# KiCad board haptic display 8x8 aisler.kicad_pcb (continued)
## Routing (per net, layer and track width the routed paths; a pad name or vN(x,y) marks a point on that pad's centre or on a via; arc(x,y) is an arc through that point) (continued)
  In1.Cu w0.15: v1(50.35,120) 50,120.35 50,120.55 49.68,120.56 49.37,120.6 49.06,120.66 48.75,120.74 48.45,120.84 48.16,120.97 47.88,121.11 47.61,121.28 47.35,121.46 47.1,121.66 46.88,121.88 46.66,122.11 46.47,122.36 46.29,122.62 46.13,122.89 45.99,123.17 45.88,123.46 45.78,123.76 45.7,124.07 45.65,124.37 45.62,124.69 45.61,125 45.63,125.31 45.66,125.62 45.72,125.93 45.8,126.23 45.9,126.53 46.02,126.82 46.17,127.09 46.33,127.36 46.51,127.61 46.71,127.85 46.92,128.08 47.15,128.29 47.39,128.48 47.65,128.66 47.92,128.81 48.2,128.95 48.48,129.07 48.78,129.16 49.08,129.23 49.38,129.29 49.69,129.32 50,129.32 50.31,129.31 50.61,129.28 50.92,129.22 51.22,129.14 51.51,129.04 51.79,128.92 52.06,128.78 52.33,128.62 52.58,128.44 52.81,128.25 53.04,128.04 53.24,127.81 53.43,127.57 53.6,127.32 53.76,127.05 53.89,126.78 54.01,126.49 54.1,126.2 54.17,125.91 54.22,125.61 54.25,125.3 54.26,125 54.25,124.7 54.21,124.39 54.16,124.1 54.08,123.8 53.98,123.52 53.86,123.24 53.72,122.97 53.57,122.71 53.39,122.46 53.2,122.23 52.99,122.01 52.77,121.8 52.53,121.62 52.28,121.45 52.02,121.3 51.75,121.16 51.47,121.05 51.19,120.96 50.89,120.89 50.6,120.84 50.3,120.81 50,120.8 49.69,120.81 49.37,120.85 49.07,120.91 48.77,121 48.47,121.1 48.19,121.23 47.91,121.38 47.65,121.55 47.4,121.74 47.16,121.94 46.95,122.17 46.74,122.4 46.56,122.66 46.4,122.92 46.26,123.2 46.13,123.48 46.03,123.78 45.96,124.08 45.9,124.38 45.87,124.69 45.86,125 45.88,125.31 45.91,125.62 45.97,125.92 46.06,126.22 46.16,126.51 46.29,126.79 46.43,127.06 46.6,127.32 46.79,127.56 46.99,127.79 47.21,128.01 47.44,128.21 47.69,128.39 47.95,128.55 48.22,128.69 48.51,128.81 48.8,128.91 49.09,128.98 49.39,129.04 49.7,129.07 50,129.07 50.3,129.06 50.61,129.02 50.9,128.96 51.2,128.88 51.48,128.78 51.76,128.66 52.03,128.51 52.28,128.35 52.52,128.17 52.75,127.97 52.96,127.75 53.16,127.52 53.33,127.27 53.49,127.02 53.63,126.75 53.75,126.47 53.85,126.19 53.92,125.89 53.97,125.6 54,125.3 54.01,125 54,124.7 53.96,124.4 53.9,124.11 53.82,123.82 53.72,123.54 53.6,123.27 53.46,123 53.3,122.75 53.12,122.51 52.92,122.29 52.71,122.08 52.48,121.89 52.24,121.72 51.99,121.56 51.72,121.43 51.45,121.31 51.17,121.21 50.88,121.14 50.59,121.09 50.3,121.06 50,121.05 49.69,121.07 49.38,121.1 49.08,121.17 48.78,121.26 48.49,121.37 48.22,121.5 47.95,121.65 47.69,121.82 47.45,122.02 47.23,122.23 47.02,122.46 46.83,122.7 46.67,122.96 46.52,123.23 46.39,123.51 46.29,123.79 46.21,124.09 46.15,124.39 46.12,124.69 46.11,125 46.13,125.3 46.17,125.61 46.23,125.91 46.31,126.2 46.42,126.48 46.55,126.76 46.7,127.02 46.88,127.27 47.07,127.51 47.27,127.73 47.5,127.93 47.74,128.11 47.99,128.28 48.25,128.42 48.53,128.55 48.81,128.65 49.1,128.73 49.4,128.78 49.7,128.82 50,128.82 50.3,128.81 50.6,128.77 50.89,128.71 51.18,128.63 51.46,128.52 51.73,128.39 51.99,128.24 52.23,128.07 52.47,127.89 52.68,127.68 52.88,127.46 53.06,127.23 53.23,126.98 53.37,126.72 53.49,126.45 53.59,126.17 53.67,125.88 53.72,125.59 53.75,125.3 53.76,125 53.75,124.71 53.71,124.41 53.65,124.12 53.57,123.84 53.46,123.57 53.34,123.3 53.19,123.05 53.02,122.8 52.84,122.57 52.64,122.36 52.42,122.17 52.19,121.99 51.94,121.83 51.69,121.69 51.42,121.57 51.15,121.47 50.87,121.39 50.58,121.34 50.29,121.31 50,121.3 49.69,121.32 49.39,121.36 49.09,121.42 48.8,121.51 48.52,121.63 48.25,121.76 47.99,121.92 47.74,122.1 47.51,122.3 47.3,122.52 47.11,122.75 46.94,123 46.78,123.26 46.65,123.53 46.55,123.81 46.46,124.1 46.41,124.4 46.37,124.7 46.36,125 46.38,125.3 46.42,125.6 46.48,125.89 46.57,126.18 46.68,126.45 46.82,126.72 46.97,126.98 47.15,127.22 47.35,127.44 47.56,127.65 47.79,127.84 48.03,128.01 48.29,128.16 48.56,128.29 48.83,128.39 49.12,128.48 49.41,128.53 49.7,128.57 50,128.57 50.29,128.56 50.59,128.52 50.88,128.46 51.16,128.37 51.43,128.26 51.69,128.13 51.94,127.97 52.18,127.8 52.4,127.61 52.61,127.4 52.79,127.17 52.96,126.93 53.11,126.68 53.23,126.42 53.33,126.14 53.41,125.86 53.47,125.58 53.5,125.29 53.51,125 53.5,124.71 53.46,124.42 53.4,124.14 53.31,123.86 53.2,123.6 53.07,123.34 52.92,123.09 52.75,122.86 52.56,122.64 52.36,122.44 52.14,122.26 51.9,122.09 51.65,121.95 51.39,121.83 51.12,121.72 50.85,121.65 50.57,121.59 50.29,121.56 50,121.55 49.7,121.57 49.4,121.61 49.11,121.68 48.82,121.77 48.55,121.89 48.29,122.03 48.04,122.19 47.8,122.38 47.58,122.58 47.38,122.8 47.21,123.04 47.05,123.3 46.91,123.56 46.8,123.84 46.72,124.12 46.66,124.41 46.62,124.7 46.61,125 46.63,125.29 46.67,125.59 46.74,125.87 46.83,126.15 46.95,126.42 47.08,126.68 47.25,126.93 47.43,127.16 47.63,127.37 47.84,127.57 48.08,127.74 48.33,127.9 48.59,128.03 48.86,128.14 49.14,128.22 49.42,128.28 49.71,128.32 50,128.32 50.29,128.31 50.58,128.27 50.86,128.2 51.13,128.11 51.4,128 51.65,127.86 51.89,127.7 52.12,127.53 52.33,127.33 52.52,127.11 52.69,126.89 52.84,126.64 52.97,126.39 53.08,126.12 53.16,125.85 53.22,125.57 53.25,125.28 53.26,125 53.25,124.72 53.21,124.43 53.14,124.16 53.05,123.89 52.94,123.63 52.81,123.38 52.65,123.14 52.48,122.92 52.28,122.72 52.07,122.53 51.85,122.36 51.61,122.21 51.36,122.08 51.1,121.98 50.83,121.9 50.56,121.84 50.28,121.81 50,121.8 49.71,121.82 49.41,121.86 49.13,121.93 48.85,122.03 48.58,122.15 48.33,122.3 48.09,122.47 47.86,122.66 47.66,122.87 47.48,123.09 47.31,123.34 47.17,123.59 47.06,123.86 46.97,124.14 46.91,124.42 46.87,124.71 46.86,125 46.88,125.29 46.92,125.58 46.99,125.86 47.09,126.13 47.21,126.39 47.35,126.64 47.52,126.88 47.7,127.09 47.91,127.29 48.13,127.47 48.37,127.63 48.62,127.77 48.88,127.88 49.16,127.97 49.43,128.03 49.72,128.07 50,128.07 50.28,128.06 50.56,128.02 50.84,127.95 51.11,127.85 51.36,127.74 51.61,127.6 51.84,127.43 52.05,127.25 52.25,127.05 52.42,126.83 52.58,126.6 52.71,126.35 52.82,126.09 52.91,125.83 52.97,125.55 53,125.28 53.01,125 53,124.72 52.95,124.45 52.89,124.18 52.8,123.92 52.68,123.67 52.54,123.43 52.38,123.2 52.2,122.99 52.01,122.8 51.79,122.63 51.56,122.47 51.32,122.34 51.07,122.24 50.81,122.15 50.54,122.09 50.27,122.06 50,122.05 49.71,122.07 49.43,122.11 49.15,122.19 48.88,122.29 48.62,122.42 48.37,122.57 48.15,122.74 47.94,122.94 47.75,123.15 47.58,123.38 47.44,123.63 47.32,123.89 47.23,124.16 47.16,124.44 47.12,124.72 47.11,125 47.13,125.28 47.18,125.56 47.25,125.83 47.35,126.1 47.47,126.35 47.62,126.59 47.79,126.81 47.98,127.02 48.19,127.2 48.42,127.37 48.66,127.51 48.91,127.62 49.18,127.71 49.45,127.78 49.72,127.82 50,127.83 50.28,127.81 50.55,127.76 50.82,127.69 51.08,127.6 51.32,127.47 51.56,127.33 51.77,127.16 51.98,126.98 52.16,126.77 52.32,126.55 52.45,126.31 52.57,126.06 52.65,125.81 52.72,125.54 52.75,125.27 52.76,125 52.75,124.73 52.7,124.46 52.63,124.2 52.54,123.95 52.42,123.71 52.28,123.48 52.11,123.26 51.93,123.07 51.73,122.89 51.51,122.74 51.28,122.6 51.04,122.49 50.79,122.41 50.53,122.34 50.27,122.31 50,122.3 49.72,122.32 49.44,122.37 49.17,122.44 48.91,122.55 48.66,122.68 48.43,122.84 48.21,123.02 48.02,123.22 47.85,123.44 47.7,123.67 47.58,123.92 47.48,124.18 47.41,124.45 47.37,124.72 47.36,125 47.38,125.28 47.43,125.55 47.5,125.81 47.61,126.07 47.73,126.31 47.89,126.54 48.06,126.75 48.26,126.94 48.47,127.1 48.7,127.25 48.95,127.37 49.2,127.46 49.46,127.53 49.73,127.57 50,127.58 50.27,127.56 50.53,127.51 50.79,127.44 51.04,127.34 51.28,127.21 51.5,127.06 51.7,126.89 51.89,126.7 52.05,126.49 52.19,126.27 52.31,126.03 52.4,125.78 52.47,125.52 52.5,125.26 52.51,125 52.49,124.74 52.45,124.48 52.38,124.23 52.28,123.98 52.16,123.75 52.01,123.54 51.85,123.34 51.66,123.16 51.45,123 51.24,122.86 51,122.75 50.76,122.66 50.51,122.6 50.26,122.56 50,122.55 49.73,122.57 49.46,122.62 49.2,122.7 48.94,122.81 48.71,122.94 48.49,123.11 48.29,123.29 48.11,123.49 47.96,123.72 47.83,123.96 47.73,124.21 47.66,124.47 47.62,124.73 47.61,125 47.63,125.27 47.68,125.53 47.76,125.78 47.87,126.03 48,126.26 48.15,126.47 48.33,126.67 48.53,126.84 48.75,126.99 48.98,127.11 49.23,127.21 49.48,127.28 49.74,127.31 50,127.33 50.26,127.31 50.52,127.26 50.76,127.18 51,127.08 51.23,126.95 51.43,126.8 51.62,126.62 51.79,126.43 51.93,126.22 52.05,125.99 52.15,125.75 52.21,125.51 52.25,125.25 52.26,125 52.24,124.75 52.2,124.5 52.12,124.26 52.02,124.03 51.9,123.81 51.75,123.61 51.58,123.42 51.39,123.26 51.18,123.12 50.96,123 50.73,122.91 50.49,122.85 50.25,122.81 50,122.8 49.74,122.82 49.48,122.87 49.22,122.96 48.99,123.07 48.76,123.21 48.56,123.37 48.38,123.56 48.22,123.77 48.09,124 47.99,124.24 47.92,124.49 47.87,124.74 47.86,125 47.88,125.26 47.93,125.51 48.01,125.75 48.12,125.98 48.26,126.2 48.42,126.4 48.6,126.57 48.81,126.73 49.03,126.85 49.26,126.95 49.5,127.02 49.75,127.06 50,127.08 50.25,127.06 50.49,127.01 50.73,126.93 50.96,126.82 51.17,126.69 51.36,126.53 51.53,126.35 51.68,126.16 51.8,125.94 51.9,125.72 51.96,125.48 52,125.24 52.01,125 51.99,124.76 51.94,124.52 51.87,124.29 51.76,124.07 51.64,123.87 51.48,123.68 51.31,123.52 51.12,123.38 50.92,123.26 50.7,123.16 50.47,123.1 50.24,123.06 50,123.05 49.75,123.07 49.5,123.13 49.26,123.21 49.04,123.33 48.83,123.47 48.64,123.64 48.48,123.84 48.35,124.05 48.24,124.27 48.17,124.51 48.12,124.75 48.11,125 48.13,125.25 48.19,125.49 48.27,125.72 48.38,125.93 48.52,126.13 48.69,126.31 48.87,126.47 49.08,126.6 49.3,126.7 49.52,126.77 49.76,126.81 50,126.83 50.24,126.8 50.47,126.75 50.69,126.67 50.9,126.56 51.1,126.43 51.27,126.27 51.42,126.09 51.54,125.89 51.64,125.68 51.71,125.46 51.75,125.23 51.76,125 51.74,124.77 51.69,124.55 51.61,124.33 51.51,124.13 51.38,123.94 51.22,123.78 51.05,123.63 50.86,123.51 50.66,123.41 50.44,123.35 50.22,123.31 50,123.3 49.76,123.32 49.52,123.38 49.3,123.47 49.09,123.59 48.91,123.74 48.74,123.91 48.6,124.1 48.49,124.31 48.42,124.54 48.37,124.77 48.36,125 48.38,125.23 48.44,125.46 48.53,125.67 48.64,125.87 48.78,126.05 48.95,126.21 49.14,126.34 49.34,126.45 49.55,126.52 49.78,126.56 50,126.58 50.22,126.55 50.44,126.5 50.65,126.42 50.84,126.31 51.01,126.17 51.16,126.01 51.29,125.83 51.39,125.64 51.46,125.43 51.5,125.22 51.51,125 51.49,124.79 51.44,124.58 51.36,124.38 51.25,124.19 51.12,124.03 50.97,123.88 50.8,123.76 50.61,123.67 50.41,123.6 50.21,123.56 50,123.55 50,123.6 49.63,123.97 49.59,123.98 ; v1(50.35,105) 50,105.35 50,105.55 49.68,105.56 49.37,105.6 49.06,105.66 48.75,105.74 48.45,105.84 48.16,105.97 47.88,106.11 47.61,106.28 47.35,106.46 47.1,106.66 46.88,106.88 46.66,107.11 46.47,107.36 46.29,107.62 46.13,107.89 45.99,108.17 45.88,108.46 45.78,108.76 45.7,109.07 45.65,109.37 45.62,109.69 45.61,110 45.63,110.31 45.66,110.62 45.72,110.93 45.8,111.23 45.9,111.53 46.02,111.82 46.17,112.09 46.33,112.36 46.51,112.61 46.71,112.85 46.92,113.08 47.15,113.29 47.39,113.48 47.65,113.66 47.92,113.81 48.2,113.95 48.48,114.07 48.78,114.16 49.08,114.23 49.38,114.29 49.69,114.32 50,114.33 50.31,114.31 50.61,114.28 50.92,114.22 51.22,114.14 51.51,114.04 51.79,113.92 52.06,113.78 52.33,113.62 52.58,113.44 52.81,113.25 53.04,113.04 53.24,112.81 53.43,112.57 53.6,112.32 53.76,112.05 53.89,111.78 54.01,111.49 54.1,111.2 54.17,110.91 54.22,110.61 54.25,110.3 54.26,110 54.25,109.7 54.21,109.39 54.16,109.1 54.08,108.8 53.98,108.52 53.86,108.24 53.72,107.97 53.57,107.71 53.39,107.46 53.2,107.23 52.99,107.01 52.77,106.8 52.53,106.62 52.28,106.45 52.02,106.3 51.75,106.16 51.47,106.05 51.19,105.96 50.89,105.89 50.6,105.84 50.3,105.81 50,105.8 49.69,105.81 49.37,105.85 49.07,105.91 48.77,106 48.47,106.1 48.19,106.23 47.91,106.38 47.65,106.55 47.4,106.74 47.16,106.94 46.95,107.17 46.74,107.4 46.56,107.66 46.4,107.92 46.26,108.2 46.13,108.48 46.03,108.78 45.96,109.08 45.9,109.38 45.87,109.69 45.86,110 45.88,110.31 45.91,110.62 45.97,110.92 46.06,111.22 46.16,111.51 46.29,111.79 46.43,112.06 46.6,112.32 46.79,112.56 46.99,112.79 47.21,113.01 47.44,113.21 47.69,113.39 47.95,113.55 48.22,113.69 48.51,113.81 48.8,113.91 49.09,113.98 49.39,114.04 49.7,114.07 50,114.08 50.3,114.06 50.61,114.02 50.9,113.96 51.2,113.88 51.48,113.78 51.76,113.66 52.03,113.51 52.28,113.35 52.52,113.17 52.75,112.97 52.96,112.75 53.16,112.52 53.33,112.27 53.49,112.02 53.63,111.75 53.75,111.47 53.85,111.19 53.92,110.89 53.97,110.6 54,110.3 54.01,110 54,109.7 53.96,109.4 53.9,109.11 53.82,108.82 53.72,108.54 53.6,108.27 53.46,108 53.3,107.75 53.12,107.51 52.92,107.29 52.71,107.08 52.48,106.89 52.24,106.72 51.99,106.56 51.72,106.43 51.45,106.31 51.17,106.21 50.88,106.14 50.59,106.09 50.3,106.06 50,106.05 49.69,106.07 49.38,106.1 49.08,106.17 48.78,106.26 48.49,106.37 48.22,106.5 47.95,106.65 47.69,106.82 47.45,107.02 47.23,107.23 47.02,107.46 46.83,107.7 46.67,107.96 46.52,108.23 46.39,108.51 46.29,108.79 46.21,109.09 46.15,109.39 46.12,109.69 46.11,110 46.13,110.3 46.17,110.61 46.23,110.91 46.31,111.2 46.42,111.48 46.55,111.76 46.7,112.02 46.88,112.27 47.07,112.51 47.27,112.73 47.5,112.93 47.74,113.11 47.99,113.28 48.25,113.42 48.53,113.55 48.81,113.65 49.1,113.73 49.4,113.78 49.7,113.82 50,113.83 50.3,113.81 50.6,113.77 50.89,113.71 51.18,113.63 51.46,113.52 51.73,113.39 51.99,113.24 52.23,113.07 52.47,112.89 52.68,112.68 52.88,112.46 53.06,112.23 53.23,111.98 53.37,111.72 53.49,111.45 53.59,111.17 53.67,110.88 53.72,110.59 53.75,110.3 53.76,110 53.75,109.71 53.71,109.41 53.65,109.12 53.57,108.84 53.46,108.57 53.34,108.3 53.19,108.05 53.02,107.8 52.84,107.57 52.64,107.36 52.42,107.17 52.19,106.99 51.94,106.83 51.69,106.69 51.42,106.57 51.15,106.47 50.87,106.39 50.58,106.34 50.29,106.31 50,106.3 49.69,106.32 49.39,106.36 49.09,106.42 48.8,106.51 48.52,106.63 48.25,106.76 47.99,106.92 47.74,107.1 47.51,107.3 47.3,107.52 47.11,107.75 46.94,108 46.78,108.26 46.65,108.53 46.55,108.81 46.46,109.1 46.41,109.4 46.37,109.7 46.36,110 46.38,110.3 46.42,110.6 46.48,110.89 46.57,111.18 46.68,111.45 46.82,111.72 46.97,111.98 47.15,112.22 47.35,112.44 47.56,112.65 47.79,112.84 48.03,113.01 48.29,113.16 48.56,113.29 48.83,113.39 49.12,113.48 49.41,113.53 49.7,113.57 50,113.58 50.29,113.56 50.59,113.52 50.88,113.46 51.16,113.37 51.43,113.26 51.69,113.13 51.94,112.97 52.18,112.8 52.4,112.61 52.61,112.4 52.79,112.17 52.96,111.93 53.11,111.68 53.23,111.42 53.33,111.14 53.41,110.86 53.47,110.58 53.5,110.29 53.51,110 53.5,109.71 53.46,109.42 53.4,109.14 53.31,108.86 53.2,108.6 53.07,108.34 52.92,108.09 52.75,107.86 52.56,107.64 52.36,107.44 52.14,107.26 51.9,107.09 51.65,106.95 51.39,106.83 51.12,106.72 50.85,106.65 50.57,106.59 50.29,106.56 50,106.55 49.7,106.57 49.4,106.61 49.11,106.68 48.82,106.77 48.55,106.89 48.29,107.03 48.04,107.19 47.8,107.38 47.58,107.58 47.38,107.8 47.21,108.04 47.05,108.3 46.91,108.56 46.8,108.84 46.72,109.12 46.66,109.41 46.62,109.7 46.61,110 46.63,110.29 46.67,110.59 46.74,110.87 46.83,111.15 46.95,111.42 47.08,111.68 47.25,111.93 47.43,112.16 47.63,112.37 47.84,112.57 48.08,112.74 48.33,112.9 48.59,113.03 48.86,113.14 49.14,113.22 49.42,113.28 49.71,113.32 50,113.33 50.29,113.31 50.58,113.27 50.86,113.2 51.13,113.11 51.4,113 51.65,112.86 51.89,112.7 52.12,112.53 52.33,112.33 52.52,112.11 52.69,111.89 52.84,111.64 52.97,111.39 53.08,111.12 53.16,110.85 53.22,110.57 53.25,110.28 53.26,110 53.25,109.72 53.21,109.43 53.14,109.16 53.05,108.89 52.94,108.63 52.81,108.38 52.65,108.14 52.48,107.92 52.28,107.72 52.07,107.53 51.85,107.36 51.61,107.21 51.36,107.08 51.1,106.98 50.83,106.9 50.56,106.84 50.28,106.81 50,106.8 49.71,106.82 49.41,106.86 49.13,106.93 48.85,107.03 48.58,107.15 48.33,107.3 48.09,107.47 47.86,107.66 47.66,107.87 47.48,108.09 47.31,108.34 47.17,108.59 47.06,108.86 46.97,109.14 46.91,109.42 46.87,109.71 46.86,110 46.88,110.29 46.92,110.58 46.99,110.86 47.09,111.13 47.21,111.39 47.35,111.64 47.52,111.88 47.7,112.09 47.91,112.29 48.13,112.47 48.37,112.63 48.62,112.77 48.88,112.88 49.16,112.97 49.43,113.03 49.72,113.07 50,113.08 50.28,113.06 50.56,113.02 50.84,112.95 51.11,112.85 51.36,112.74 51.61,112.6 51.84,112.43 52.05,112.25 52.25,112.05 52.42,111.83 52.58,111.6 52.71,111.35 52.82,111.09 52.91,110.83 52.97,110.55 53,110.28 53.01,110 53,109.72 52.95,109.45 52.89,109.18 52.8,108.92 52.68,108.67 52.54,108.43 52.38,108.2 52.2,107.99 52.01,107.8 51.79,107.63 51.56,107.47 51.32,107.34 51.07,107.24 50.81,107.15 50.54,107.09 50.27,107.06 50,107.05 49.71,107.07 49.43,107.11 49.15,107.19 48.88,107.29 48.62,107.42 48.37,107.57 48.15,107.74 47.94,107.94 47.75,108.15 47.58,108.38 47.44,108.63 47.32,108.89 47.23,109.16 47.16,109.44 47.12,109.72 47.11,110 47.13,110.28 47.18,110.56 47.25,110.83 47.35,111.1 47.47,111.35 47.62,111.59 47.79,111.81 47.98,112.02 48.19,112.2 48.42,112.37 48.66,112.51 48.91,112.62 49.18,112.71 49.45,112.78 49.72,112.82 50,112.83 50.28,112.81 50.55,112.76 50.82,112.69 51.08,112.6 51.32,112.47 51.56,112.33 51.77,112.16 51.98,111.98 52.16,111.77 52.32,111.55 52.45,111.31 52.57,111.06 52.65,110.81 52.72,110.54 52.75,110.27 52.76,110 52.75,109.73 52.7,109.46 52.63,109.2 52.54,108.95 52.42,108.71 52.28,108.48 52.11,108.26 51.93,108.07 51.73,107.89 51.51,107.74 51.28,107.6 51.04,107.49 50.79,107.41 50.53,107.34 50.27,107.31 50,107.3 49.72,107.32 49.44,107.37 49.17,107.44 48.91,107.55 48.66,107.68 48.43,107.84 48.21,108.02 48.02,108.22 47.85,108.44 47.7,108.67 47.58,108.92 47.48,109.18 47.41,109.45 47.37,109.72 47.36,110 47.38,110.28 47.43,110.55 47.5,110.81 47.61,111.07 47.73,111.31 47.89,111.54 48.06,111.75 48.26,111.94 48.47,112.1 48.7,112.25 48.95,112.37 49.2,112.46 49.46,112.53 49.73,112.57 50,112.58 50.27,112.56 50.53,112.51 50.79,112.44 51.04,112.34 51.28,112.21 51.5,112.06 51.7,111.89 51.89,111.7 52.05,111.49 52.19,111.27 52.31,111.03 52.4,110.78 52.47,110.52 52.5,110.26 52.51,110 52.49,109.74 52.45,109.48 52.38,109.23 52.28,108.98 52.16,108.75 52.01,108.54 51.85,108.34 51.66,108.16 51.45,108 51.24,107.86 51,107.75 50.76,107.66 50.51,107.6 50.26,107.56 50,107.55 49.73,107.57 49.46,107.62 49.2,107.7 48.94,107.81 48.71,107.94 48.49,108.11 48.29,108.29 48.11,108.49 47.96,108.72 47.83,108.96 47.73,109.21 47.66,109.47 47.62,109.73 47.61,110 47.63,110.27 47.68,110.53 47.76,110.78 47.87,111.03 48,111.26 48.15,111.47 48.33,111.67 48.53,111.84 48.75,111.99 48.98,112.11 49.23,112.21 49.48,112.28 49.74,112.31 50,112.33 50.26,112.31 50.52,112.26 50.76,112.18 51,112.08 51.23,111.95 51.43,111.8 51.62,111.62 51.79,111.43 51.93,111.22 52.05,110.99 52.15,110.75 52.21,110.51 52.25,110.25 52.26,110 52.24,109.75 52.2,109.5 52.12,109.26 52.02,109.03 51.9,108.81 51.75,108.61 51.58,108.42 51.39,108.26 51.18,108.12 50.96,108 50.73,107.91 50.49,107.85 50.25,107.81 50,107.8 49.74,107.82 49.48,107.87 49.22,107.96 48.99,108.07 48.76,108.21 48.56,108.37 48.38,108.56 48.22,108.77 48.09,109 47.99,109.24 47.92,109.49 47.87,109.74 47.86,110 47.88,110.26 47.93,110.51 48.01,110.75 48.12,110.98 48.26,111.2 48.42,111.4 48.6,111.57 48.81,111.73 49.03,111.85 49.26,111.95 49.5,112.02 49.75,112.06 50,112.08 50.25,112.06 50.49,112.01 50.73,111.93 50.96,111.82 51.17,111.69 51.36,111.53 51.53,111.35 51.68,111.16 51.8,110.94 51.9,110.72 51.96,110.48 52,110.24 52.01,110 51.99,109.76 51.94,109.52 51.87,109.29 51.76,109.07 51.64,108.87 51.48,108.68 51.31,108.52 51.12,108.38 50.92,108.26 50.7,108.16 50.47,108.1 50.24,108.06 50,108.05 49.75,108.07 49.5,108.13 49.26,108.21 49.04,108.33 48.83,108.47 48.64,108.64 48.48,108.84 48.35,109.05 48.24,109.27 48.17,109.51 48.12,109.75 48.11,110 48.13,110.25 48.19,110.49 48.27,110.72 48.38,110.93 48.52,111.13 48.69,111.31 48.87,111.47 49.08,111.6 49.3,111.7 49.52,111.77 49.76,111.81 50,111.83 50.24,111.8 50.47,111.75 50.69,111.67 50.9,111.56 51.1,111.43 51.27,111.27 51.42,111.09 51.54,110.89 51.64,110.68 51.71,110.46 51.75,110.23 51.76,110 51.74,109.77 51.69,109.55 51.61,109.33 51.51,109.13 51.38,108.94 51.22,108.78 51.05,108.63 50.86,108.51 50.66,108.41 50.44,108.35 50.22,108.31 50,108.3 49.76,108.32 49.52,108.38 49.3,108.47 49.09,108.59 48.91,108.74 48.74,108.91 48.6,109.1 48.49,109.31 48.42,109.54 48.37,109.77 48.36,110 48.38,110.23 48.44,110.46 48.53,110.67 48.64,110.87 48.78,111.05 48.95,111.21 49.14,111.34 49.34,111.45 49.55,111.52 49.78,111.56 50,111.58 50.22,111.55 50.44,111.5 50.65,111.42 50.84,111.31 51.01,111.17 51.16,111.01 51.29,110.83 51.39,110.64 51.46,110.43 51.5,110.22 51.51,110 51.49,109.79 51.44,109.58 51.36,109.38 51.25,109.19 51.12,109.03 50.97,108.88 50.8,108.76 50.61,108.67 50.41,108.6 50.21,108.56 50,108.55 50,108.6 49.63,108.97 49.59,108.98 ; v1(50.35,90) 50,90.35 50,90.55 49.68,90.56 49.37,90.6 49.06,90.66 48.75,90.74 48.45,90.84 48.16,90.97 47.88,91.11 47.61,91.28 47.35,91.46 47.1,91.66 46.88,91.88 46.66,92.11 46.47,92.36 46.29,92.62 46.13,92.89 45.99,93.17 45.88,93.46 45.78,93.76 45.7,94.07 45.65,94.37 45.62,94.69 45.61,95 45.63,95.31 45.66,95.62 45.72,95.93 45.8,96.23 45.9,96.53 46.02,96.82 46.17,97.09 46.33,97.36 46.51,97.61 46.71,97.85 46.92,98.08 47.15,98.29 47.39,98.48 47.65,98.66 47.92,98.81 48.2,98.95 48.48,99.07 48.78,99.16 49.08,99.23 49.38,99.29 49.69,99.32 50,99.33 50.31,99.31 50.61,99.28 50.92,99.22 51.22,99.14 51.51,99.04 51.79,98.92 52.06,98.78 52.33,98.62 52.58,98.44 52.81,98.25 53.04,98.04 53.24,97.81 53.43,97.57 53.6,97.32 53.76,97.05 53.89,96.78 54.01,96.49 54.1,96.2 54.17,95.91 54.22,95.61 54.25,95.3 54.26,95 54.25,94.7 54.21,94.39 54.16,94.1 54.08,93.8 53.98,93.52 53.86,93.24 53.72,92.97 53.57,92.71 53.39,92.46 53.2,92.23 52.99,92.01 52.77,91.8 52.53,91.62 52.28,91.45 52.02,91.3 51.75,91.16 51.47,91.05 51.19,90.96 50.89,90.89 50.6,90.84 50.3,90.81 50,90.8 49.69,90.81 49.37,90.85 49.07,90.91 48.77,91 48.47,91.1 48.19,91.23 47.91,91.38 47.65,91.55 47.4,91.74 47.16,91.94 46.95,92.17 46.74,92.4 46.56,92.66 46.4,92.92 46.26,93.2 46.13,93.48 46.03,93.78 45.96,94.08 45.9,94.38 45.87,94.69 45.86,95 45.88,95.31 45.91,95.62 45.97,95.92 46.06,96.22 46.16,96.51 46.29,96.79 46.43,97.06 46.6,97.32 46.79,97.56 46.99,97.79 47.21,98.01 47.44,98.21 47.69,98.39 47.95,98.55 48.22,98.69 48.51,98.81 48.8,98.91 49.09,98.98 49.39,99.04 49.7,99.07 50,99.08 50.3,99.06 50.61,99.02 50.9,98.96 51.2,98.88 51.48,98.78 51.76,98.66 52.03,98.51 52.28,98.35 52.52,98.17 52.75,97.97 52.96,97.75 53.16,97.52 53.33,97.27 53.49,97.02 53.63,96.75 53.75,96.47 53.85,96.19 53.92,95.89 53.97,95.6 54,95.3 54.01,95 54,94.7 53.96,94.4 53.9,94.11 53.82,93.82 53.72,93.54 53.6,93.27 53.46,93 53.3,92.75 53.12,92.51 52.92,92.29 52.71,92.08 52.48,91.89 52.24,91.72 51.99,91.56 51.72,91.43 51.45,91.31 51.17,91.21 50.88,91.14 50.59,91.09 50.3,91.06 50,91.05 49.69,91.07 49.38,91.1 49.08,91.17 48.78,91.26 48.49,91.37 48.22,91.5 47.95,91.65 47.69,91.82 47.45,92.02 47.23,92.23 47.02,92.46 46.83,92.7 46.67,92.96 46.52,93.23 46.39,93.51 46.29,93.79 46.21,94.09 46.15,94.39 46.12,94.69 46.11,95 46.13,95.3 46.17,95.61 46.23,95.91 46.31,96.2 46.42,96.48 46.55,96.76 46.7,97.02 46.88,97.27 47.07,97.51 47.27,97.73 47.5,97.93 47.74,98.11 47.99,98.28 48.25,98.42 48.53,98.55 48.81,98.65 49.1,98.73 49.4,98.78 49.7,98.82 50,98.83 50.3,98.81 50.6,98.77 50.89,98.71 51.18,98.63 51.46,98.52 51.73,98.39 51.99,98.24 52.23,98.07 52.47,97.89 52.68,97.68 52.88,97.46 53.06,97.23 53.23,96.98 53.37,96.72 53.49,96.45 53.59,96.17 53.67,95.88 53.72,95.59 53.75,95.3 53.76,95 53.75,94.71 53.71,94.41 53.65,94.12 53.57,93.84 53.46,93.57 53.34,93.3 53.19,93.05 53.02,92.8 52.84,92.57 52.64,92.36 52.42,92.17 52.19,91.99 51.94,91.83 51.69,91.69 51.42,91.57 51.15,91.47 50.87,91.39 50.58,91.34 50.29,91.31 50,91.3 49.69,91.32 49.39,91.36 49.09,91.42 48.8,91.51 48.52,91.63 48.25,91.76 47.99,91.92 47.74,92.1 47.51,92.3 47.3,92.52 47.11,92.75 46.94,93 46.78,93.26 46.65,93.53 46.55,93.81 46.46,94.1 46.41,94.4 46.37,94.7 46.36,95 46.38,95.3 46.42,95.6 46.48,95.89 46.57,96.18 46.68,96.45 46.82,96.72 46.97,96.98 47.15,97.22 47.35,97.44 47.56,97.65 47.79,97.84 48.03,98.01 48.29,98.16 48.56,98.29 48.83,98.39 49.12,98.48 49.41,98.53 49.7,98.57 50,98.58 50.29,98.56 50.59,98.52 50.88,98.46 51.16,98.37 51.43,98.26 51.69,98.13 51.94,97.97 52.18,97.8 52.4,97.61 52.61,97.4 52.79,97.17 52.96,96.93 53.11,96.68 53.23,96.42 53.33,96.14 53.41,95.86 53.47,95.58 53.5,95.29 53.51,95 53.5,94.71 53.46,94.42 53.4,94.14 53.31,93.86 53.2,93.6 53.07,93.34 52.92,93.09 52.75,92.86 52.56,92.64 52.36,92.44 52.14,92.26 51.9,92.09 51.65,91.95 51.39,91.83 51.12,91.72 50.85,91.65 50.57,91.59 50.29,91.56 50,91.55 49.7,91.57 49.4,91.61 49.11,91.68 48.82,91.77 48.55,91.89 48.29,92.03 48.04,92.19 47.8,92.38 47.58,92.58 47.38,92.8 47.21,93.04 47.05,93.3 46.91,93.56 46.8,93.84 46.72,94.12 46.66,94.41 46.62,94.7 46.61,95 46.63,95.29 46.67,95.59 46.74,95.87 46.83,96.15 46.95,96.42 47.08,96.68 47.25,96.93 47.43,97.16 47.63,97.37 47.84,97.57 48.08,97.74 48.33,97.9 48.59,98.03 48.86,98.14 49.14,98.22 49.42,98.28 49.71,98.32 50,98.33 50.29,98.31 50.58,98.27 50.86,98.2 51.13,98.11 51.4,98 51.65,97.86 51.89,97.7 52.12,97.53 52.33,97.33 52.52,97.11 52.69,96.89 52.84,96.64 52.97,96.39 53.08,96.12 53.16,95.85 53.22,95.57 53.25,95.28 53.26,95 53.25,94.72 53.21,94.43 53.14,94.16 53.05,93.89 52.94,93.63 52.81,93.38 52.65,93.14 52.48,92.92 52.28,92.72 52.07,92.53 51.85,92.36 51.61,92.21 51.36,92.08 51.1,91.98 50.83,91.9 50.56,91.84 50.28,91.81 50,91.8 49.71,91.82 49.41,91.86 49.13,91.93 48.85,92.03 48.58,92.15 48.33,92.3 48.09,92.47 47.86,92.66 47.66,92.87 47.48,93.09 47.31,93.34 47.17,93.59 47.06,93.86 46.97,94.14 46.91,94.42 46.87,94.71 46.86,95 46.88,95.29 46.92,95.58 46.99,95.86 47.09,96.13 47.21,96.39 47.35,96.64 47.52,96.88 47.7,97.09 47.91,97.29 48.13,97.47 48.37,97.63 48.62,97.77 48.88,97.88 49.16,97.97 49.43,98.03 49.72,98.07 50,98.08 50.28,98.06 50.56,98.02 50.84,97.95 51.11,97.85 51.36,97.74 51.61,97.6 51.84,97.43 52.05,97.25 52.25,97.05 52.42,96.83 52.58,96.6 52.71,96.35 52.82,96.09 52.91,95.83 52.97,95.55 53,95.28 53.01,95 53,94.72 52.95,94.45 52.89,94.18 52.8,93.92 52.68,93.67 52.54,93.43 52.38,93.2 52.2,92.99 52.01,92.8 51.79,92.63 51.56,92.47 51.32,92.34 51.07,92.24 50.81,92.15 50.54,92.09 50.27,92.06 50,92.05 49.71,92.07 49.43,92.11 49.15,92.19 48.88,92.29 48.62,92.42 48.37,92.57 48.15,92.74 47.94,92.94 47.75,93.15 47.58,93.38 47.44,93.63 47.32,93.89 47.23,94.16 47.16,94.44 47.12,94.72 47.11,95 47.13,95.28 47.18,95.56 47.25,95.83 47.35,96.1 47.47,96.35 47.62,96.59 47.79,96.81 47.98,97.02 48.19,97.2 48.42,97.37 48.66,97.51 48.91,97.62 49.18,97.71 49.45,97.78 49.72,97.82 50,97.83 50.28,97.81 50.55,97.76 50.82,97.69 51.08,97.6 51.32,97.47 51.56,97.33 51.77,97.16 51.98,96.98 52.16,96.77 52.32,96.55 52.45,96.31 52.57,96.06 52.65,95.81 52.72,95.54 52.75,95.27 52.76,95 52.75,94.73 52.7,94.46 52.63,94.2 52.54,93.95 52.42,93.71 52.28,93.48 52.11,93.26 51.93,93.07 51.73,92.89 51.51,92.74 51.28,92.6 51.04,92.49 50.79,92.41 50.53,92.34 50.27,92.31 50,92.3 49.72,92.32 49.44,92.37 49.17,92.44 48.91,92.55 48.66,92.68 48.43,92.84 48.21,93.02 48.02,93.22 47.85,93.44 47.7,93.67 47.58,93.92 47.48,94.18 47.41,94.45 47.37,94.72 47.36,95 47.38,95.28 47.43,95.55 47.5,95.81 47.61,96.07 47.73,96.31 47.89,96.54 48.06,96.75 48.26,96.94 48.47,97.1 48.7,97.25 48.95,97.37 49.2,97.46 49.46,97.53 49.73,97.57 50,97.58 50.27,97.56 50.53,97.51 50.79,97.44 51.04,97.34 51.28,97.21 51.5,97.06 51.7,96.89 51.89,96.7 52.05,96.49 52.19,96.27 52.31,96.03 52.4,95.78 52.47,95.52 52.5,95.26 52.51,95 52.49,94.74 52.45,94.48 52.38,94.23 52.28,93.98 52.16,93.75 52.01,93.54 51.85,93.34 51.66,93.16 51.45,93 51.24,92.86 51,92.75 50.76,92.66 50.51,92.6 50.26,92.56 50,92.55 49.73,92.57 49.46,92.62 49.2,92.7 48.94,92.81 48.71,92.94 48.49,93.11 48.29,93.29 48.11,93.49 47.96,93.72 47.83,93.96 47.73,94.21 47.66,94.47 47.62,94.73 47.61,95 47.63,95.27 47.68,95.53 47.76,95.78 47.87,96.03 48,96.26 48.15,96.47 48.33,96.67 48.53,96.84 48.75,96.99 48.98,97.11 49.23,97.21 49.48,97.28 49.74,97.31 50,97.33 50.26,97.31 50.52,97.26 50.76,97.18 51,97.08 51.23,96.95 51.43,96.8 51.62,96.62 51.79,96.43 51.93,96.22 52.05,95.99 52.15,95.75 52.21,95.51 52.25,95.25 52.26,95 52.24,94.75 52.2,94.5 52.12,94.26 52.02,94.03 51.9,93.81 51.75,93.61 51.58,93.42 51.39,93.26 51.18,93.12 50.96,93 50.73,92.91 50.49,92.85 50.25,92.81 50,92.8 49.74,92.82 49.48,92.87 49.22,92.96 48.99,93.07 48.76,93.21 48.56,93.37 48.38,93.56 48.22,93.77 48.09,94 47.99,94.24 47.92,94.49 47.87,94.74 47.86,95 47.88,95.26 47.93,95.51 48.01,95.75 48.12,95.98 48.26,96.2 48.42,96.4 48.6,96.57 48.81,96.73 49.03,96.85 49.26,96.95 49.5,97.02 49.75,97.06 50,97.08 50.25,97.06 50.49,97.01 50.73,96.93 50.96,96.82 51.17,96.69 51.36,96.53 51.53,96.35 51.68,96.16 51.8,95.94 51.9,95.72 51.96,95.48 52,95.24 52.01,95 51.99,94.76 51.94,94.52 51.87,94.29 51.76,94.07 51.64,93.87 51.48,93.68 51.31,93.52 51.12,93.38 50.92,93.26 50.7,93.16 50.47,93.1 50.24,93.06 50,93.05 49.75,93.07 49.5,93.13 49.26,93.21 49.04,93.33 48.83,93.47 48.64,93.64 48.48,93.84 48.35,94.05 48.24,94.27 48.17,94.51 48.12,94.75 48.11,95 48.13,95.25 48.19,95.49 48.27,95.72 48.38,95.93 48.52,96.13 48.69,96.31 48.87,96.47 49.08,96.6 49.3,96.7 49.52,96.77 49.76,96.81 50,96.83 50.24,96.8 50.47,96.75 50.69,96.67 50.9,96.56 51.1,96.43 51.27,96.27 51.42,96.09 51.54,95.89 51.64,95.68 51.71,95.46 51.75,95.23 51.76,95 51.74,94.77 51.69,94.55 51.61,94.33 51.51,94.13 51.38,93.94 51.22,93.78 51.05,93.63 50.86,93.51 50.66,93.41 50.44,93.35 50.22,93.31 50,93.3 49.76,93.32 49.52,93.38 49.3,93.47 49.09,93.59 48.91,93.74 48.74,93.91 48.6,94.1 48.49,94.31 48.42,94.54 48.37,94.77 48.36,95 48.38,95.23 48.44,95.46 48.53,95.67 48.64,95.87 48.78,96.05 48.95,96.21 49.14,96.34 49.34,96.45 49.55,96.52 49.78,96.56 50,96.58 50.22,96.55 50.44,96.5 50.65,96.42 50.84,96.31 51.01,96.17 51.16,96.01 51.29,95.83 51.39,95.64 51.46,95.43 51.5,95.22 51.51,95 51.49,94.79 51.44,94.58 51.36,94.38 51.25,94.19 51.12,94.03 50.97,93.88 50.8,93.76 50.61,93.67 50.41,93.6 50.21,93.56 50,93.55 50,93.6 49.63,93.97 49.59,93.98 ; v1(50.35,75) 50,75.35 50,75.55 49.68,75.56 49.37,75.6 49.06,75.66 48.75,75.74 48.45,75.84 48.16,75.97 47.88,76.11 47.61,76.28 47.35,76.46 47.1,76.66 46.88,76.88 46.66,77.11 46.47,77.36 46.29,77.62 46.13,77.89 45.99,78.17 45.88,78.46 45.78,78.76 45.7,79.07 45.65,79.37 45.62,79.69 45.61,80 45.63,80.31 45.66,80.62 45.72,80.93 45.8,81.23 45.9,81.53 46.02,81.82 46.17,82.09 46.33,82.36 46.51,82.61 46.71,82.85 46.92,83.08 47.15,83.29 47.39,83.48 47.65,83.66 47.92,83.81 48.2,83.95 48.48,84.07 48.78,84.16 49.08,84.23 49.38,84.29 49.69,84.32 50,84.33 50.31,84.31 50.61,84.28 50.92,84.22 51.22,84.14 51.51,84.04 51.79,83.92 52.06,83.78 52.33,83.62 52.58,83.44 52.81,83.25 53.04,83.04 53.24,82.81 53.43,82.57 53.6,82.32 53.76,82.05 53.89,81.78 54.01,81.49 54.1,81.2 54.17,80.91 54.22,80.61 54.25,80.3 54.26,80 54.25,79.7 54.21,79.39 54.16,79.1 54.08,78.8 53.98,78.52 53.86,78.24 53.72,77.97 53.57,77.71 53.39,77.46 53.2,77.23 52.99,77.01 52.77,76.8 52.53,76.62 52.28,76.45 52.02,76.3 51.75,76.16 51.47,76.05 51.19,75.96 50.89,75.89 50.6,75.84 50.3,75.81 50,75.8 49.69,75.81 49.37,75.85 49.07,75.91 48.77,76 48.47,76.1 48.19,76.23 47.91,76.38 47.65,76.55 47.4,76.74 47.16,76.94 46.95,77.17 46.74,77.4 46.56,77.66 46.4,77.92 46.26,78.2 46.13,78.48 46.03,78.78 45.96,79.08 45.9,79.38 45.87,79.69 45.86,80 45.88,80.31 45.91,80.62 45.97,80.92 46.06,81.22 46.16,81.51 46.29,81.79 46.43,82.06 46.6,82.32 46.79,82.56 46.99,82.79 47.21,83.01 47.44,83.21 47.69,83.39 47.95,83.55 48.22,83.69 48.51,83.81 48.8,83.91 49.09,83.98 49.39,84.04 49.7,84.07 50,84.08 50.3,84.06 50.61,84.02 50.9,83.96 51.2,83.88 51.48,83.78 51.76,83.66 52.03,83.51 52.28,83.35 52.52,83.17 52.75,82.97 52.96,82.75 53.16,82.52 53.33,82.27 53.49,82.02 53.63,81.75 53.75,81.47 53.85,81.19 53.92,80.89 53.97,80.6 54,80.3 54.01,80 54,79.7 53.96,79.4 53.9,79.11 53.82,78.82 53.72,78.54 53.6,78.27 53.46,78 53.3,77.75 53.12,77.51 52.92,77.29 52.71,77.08 52.48,76.89 52.24,76.72 51.99,76.56 51.72,76.43 51.45,76.31 51.17,76.21 50.88,76.14 50.59,76.09 50.3,76.06 50,76.05 49.69,76.07 49.38,76.1 49.08,76.17 48.78,76.26 48.49,76.37 48.22,76.5 47.95,76.65 47.69,76.82 47.45,77.02 47.23,77.23 47.02,77.46 46.83,77.7 46.67,77.96 46.52,78.23 46.39,78.51 46.29,78.79 46.21,79.09 46.15,79.39 46.12,79.69 46.11,80 46.13,80.3 46.17,80.61 46.23,80.91 46.31,81.2 46.42,81.48 46.55,81.76 46.7,82.02 46.88,82.27 47.07,82.51 47.27,82.73 47.5,82.93 47.74,83.11 47.99,83.28 48.25,83.42 48.53,83.55 48.81,83.65 49.1,83.73 49.4,83.78 49.7,83.82 50,83.83 50.3,83.81 50.6,83.77 50.89,83.71 51.18,83.63 51.46,83.52 51.73,83.39 51.99,83.24 52.23,83.07 52.47,82.89 52.68,82.68 52.88,82.46 53.06,82.23 53.23,81.98 53.37,81.72 53.49,81.45 53.59,81.17 53.67,80.88 53.72,80.59 53.75,80.3 53.76,80 53.75,79.71 53.71,79.41 53.65,79.12 53.57,78.84 53.46,78.57 53.34,78.3 53.19,78.05 53.02,77.8 52.84,77.57 52.64,77.36 52.42,77.17 52.19,76.99 51.94,76.83 51.69,76.69 51.42,76.57 51.15,76.47 50.87,76.39 50.58,76.34 50.29,76.31 50,76.3 49.69,76.32 49.39,76.36 49.09,76.42 48.8,76.51 48.52,76.63 48.25,76.76 47.99,76.92 47.74,77.1 47.51,77.3 47.3,77.52 47.11,77.75 46.94,78 46.78,78.26 46.65,78.53 46.55,78.81 46.46,79.1 46.41,79.4 46.37,79.7 46.36,80 46.38,80.3 46.42,80.6 46.48,80.89 46.57,81.18 46.68,81.45 46.82,81.72 46.97,81.98 47.15,82.22 47.35,82.44 47.56,82.65 47.79,82.84 48.03,83.01 48.29,83.16 48.56,83.29 48.83,83.39 49.12,83.48 49.41,83.53 49.7,83.57 50,83.58 50.29,83.56 50.59,83.52 50.88,83.46 51.16,83.37 51.43,83.26 51.69,83.13 51.94,82.97 52.18,82.8 52.4,82.61 52.61,82.4 52.79,82.17 52.96,81.93 53.11,81.68 53.23,81.42 53.33,81.14 53.41,80.86 53.47,80.58 53.5,80.29 53.51,80 53.5,79.71 53.46,79.42 53.4,79.14 53.31,78.86 53.2,78.6 53.07,78.34 52.92,78.09 52.75,77.86 52.56,77.64 52.36,77.44 52.14,77.26 51.9,77.09 51.65,76.95 51.39,76.83 51.12,76.72 50.85,76.65 50.57,76.59 50.29,76.56 50,76.55 49.7,76.57 49.4,76.61 49.11,76.68 48.82,76.77 48.55,76.89 48.29,77.03 48.04,77.19 47.8,77.38 47.58,77.58 47.38,77.8 47.21,78.04 47.05,78.3 46.91,78.56 46.8,78.84 46.72,79.12 46.66,79.41 46.62,79.7 46.61,80 46.63,80.29 46.67,80.59 46.74,80.87 46.83,81.15 46.95,81.42 47.08,81.68 47.25,81.93 47.43,82.16 47.63,82.37 47.84,82.57 48.08,82.74 48.33,82.9 48.59,83.03 48.86,83.14 49.14,83.22 49.42,83.28 49.71,83.32 50,83.33 50.29,83.31 50.58,83.27 50.86,83.2 51.13,83.11 51.4,83 51.65,82.86 51.89,82.7 52.12,82.53 52.33,82.33 52.52,82.11 52.69,81.89 52.84,81.64 52.97,81.39 53.08,81.12 53.16,80.85 53.22,80.57 53.25,80.28 53.26,80 53.25,79.72 53.21,79.43 53.14,79.16 53.05,78.89 52.94,78.63 52.81,78.38 52.65,78.14 52.48,77.92 52.28,77.72 52.07,77.53 51.85,77.36 51.61,77.21 51.36,77.08 51.1,76.98 50.83,76.9 50.56,76.84 50.28,76.81 50,76.8 49.71,76.82 49.41,76.86 49.13,76.93 48.85,77.03 48.58,77.15 48.33,77.3 48.09,77.47 47.86,77.66 47.66,77.87 47.48,78.09 47.31,78.34 47.17,78.59 47.06,78.86 46.97,79.14 46.91,79.42 46.87,79.71 46.86,80 46.88,80.29 46.92,80.58 46.99,80.86 47.09,81.13 47.21,81.39 47.35,81.64 47.52,81.88 47.7,82.09 47.91,82.29 48.13,82.47 48.37,82.63 48.62,82.77 48.88,82.88 49.16,82.97 49.43,83.03 49.72,83.07 50,83.08 50.28,83.06 50.56,83.02 50.84,82.95 51.11,82.85 51.36,82.74 51.61,82.6 51.84,82.43 52.05,82.25 52.25,82.05 52.42,81.83 52.58,81.6 52.71,81.35 52.82,81.09 52.91,80.83 52.97,80.55 53,80.28 53.01,80 53,79.72 52.95,79.45 52.89,79.18 52.8,78.92 52.68,78.67 52.54,78.43 52.38,78.2 52.2,77.99 52.01,77.8 51.79,77.63 51.56,77.47 51.32,77.34 51.07,77.24 50.81,77.15 50.54,77.09 50.27,77.06 50,77.05 49.71,77.07 49.43,77.11 49.15,77.19 48.88,77.29 48.62,77.42 48.37,77.57 48.15,77.74 47.94,77.94 47.75,78.15 47.58,78.38 47.44,78.63 47.32,78.89 47.23,79.16 47.16,79.44 47.12,79.72 47.11,80 47.13,80.28 47.18,80.56 47.25,80.83 47.35,81.1 47.47,81.35 47.62,81.59 47.79,81.81 47.98,82.02 48.19,82.2 48.42,82.37 48.66,82.51 48.91,82.62 49.18,82.71 49.45,82.78 49.72,82.82 50,82.83 50.28,82.81 50.55,82.76 50.82,82.69 51.08,82.6 51.32,82.47 51.56,82.33 51.77,82.16 51.98,81.98 52.16,81.77 52.32,81.55 52.45,81.31 52.57,81.06 52.65,80.81 52.72,80.54 52.75,80.27 52.76,80 52.75,79.73 52.7,79.46 52.63,79.2 52.54,78.95 52.42,78.71 52.28,78.48 52.11,78.26 51.93,78.07 51.73,77.89 51.51,77.74 51.28,77.6 51.04,77.49 50.79,77.41 50.53,77.34 50.27,77.31 50,77.3 49.72,77.32 49.44,77.37 49.17,77.44 48.91,77.55 48.66,77.68 48.43,77.84 48.21,78.02 48.02,78.22 47.85,78.44 47.7,78.67 47.58,78.92 47.48,79.18 47.41,79.45 47.37,79.72 47.36,80 47.38,80.28 47.43,80.55 47.5,80.81 47.61,81.07 47.73,81.31 47.89,81.54 48.06,81.75 48.26,81.94 48.47,82.1 48.7,82.25 48.95,82.37 49.2,82.46 49.46,82.53 49.73,82.57 50,82.58 50.27,82.56 50.53,82.51 50.79,82.44 51.04,82.34 51.28,82.21 51.5,82.06 51.7,81.89 51.89,81.7 52.05,81.49 52.19,81.27 52.31,81.03 52.4,80.78 52.47,80.52 52.5,80.26 52.51,80 52.49,79.74 52.45,79.48 52.38,79.23 52.28,78.98 52.16,78.75 52.01,78.54 51.85,78.34 51.66,78.16 51.45,78 51.24,77.86 51,77.75 50.76,77.66 50.51,77.6 50.26,77.56 50,77.55 49.73,77.57 49.46,77.62 49.2,77.7 48.94,77.81 48.71,77.94 48.49,78.11 48.29,78.29 48.11,78.49 47.96,78.72 47.83,78.96 47.73,79.21 47.66,79.47 47.62,79.73 47.61,80 47.63,80.27 47.68,80.53 47.76,80.78 47.87,81.03 48,81.26 48.15,81.47 48.33,81.67 48.53,81.84 48.75,81.99 48.98,82.11 49.23,82.21 49.48,82.28 49.74,82.31 50,82.33 50.26,82.31 50.52,82.26 50.76,82.18 51,82.08 51.23,81.95 51.43,81.8 51.62,81.62 51.79,81.43 51.93,81.22 52.05,80.99 52.15,80.75 52.21,80.51 52.25,80.25 52.26,80 52.24,79.75 52.2,79.5 52.12,79.26 52.02,79.03 51.9,78.81 51.75,78.61 51.58,78.42 51.39,78.26 51.18,78.12 50.96,78 50.73,77.91 50.49,77.85 50.25,77.81 50,77.8 49.74,77.82 49.48,77.87 49.22,77.96 48.99,78.07 48.76,78.21 48.56,78.37 48.38,78.56 48.22,78.77 48.09,79 47.99,79.24 47.92,79.49 47.87,79.74 47.86,80 47.88,80.26 47.93,80.51 48.01,80.75 48.12,80.98 48.26,81.2 48.42,81.4 48.6,81.57 48.81,81.73 49.03,81.85 49.26,81.95 49.5,82.02 49.75,82.06 50,82.08 50.25,82.06 50.49,82.01 50.73,81.93 50.96,81.82 51.17,81.69 51.36,81.53 51.53,81.35 51.68,81.16 51.8,80.94 51.9,80.72 51.96,80.48 52,80.24 52.01,80 51.99,79.76 51.94,79.52 51.87,79.29 51.76,79.07 51.64,78.87 51.48,78.68 51.31,78.52 51.12,78.38 50.92,78.26 50.7,78.16 50.47,78.1 50.24,78.06 50,78.05 49.75,78.07 49.5,78.13 49.26,78.21 49.04,78.33 48.83,78.47 48.64,78.64 48.48,78.84 48.35,79.05 48.24,79.27 48.17,79.51 48.12,79.75 48.11,80 48.13,80.25 48.19,80.49 48.27,80.72 48.38,80.93 48.52,81.13 48.69,81.31 48.87,81.47 49.08,81.6 49.3,81.7 49.52,81.77 49.76,81.81 50,81.83 50.24,81.8 50.47,81.75 50.69,81.67 50.9,81.56 51.1,81.43 51.27,81.27 51.42,81.09 51.54,80.89 51.64,80.68 51.71,80.46 51.75,80.23 51.76,80 51.74,79.77 51.69,79.55 51.61,79.33 51.51,79.13 51.38,78.94 51.22,78.78 51.05,78.63 50.86,78.51 50.66,78.41 50.44,78.35 50.22,78.31 50,78.3 49.76,78.32 49.52,78.38 49.3,78.47 49.09,78.59 48.91,78.74 48.74,78.91 48.6,79.1 48.49,79.31 48.42,79.54 48.37,79.77 48.36,80 48.38,80.23 48.44,80.46 48.53,80.67 48.64,80.87 48.78,81.05 48.95,81.21 49.14,81.34 49.34,81.45 49.55,81.52 49.78,81.56 50,81.58 50.22,81.55 50.44,81.5 50.65,81.42 50.84,81.31 51.01,81.17 51.16,81.01 51.29,80.83 51.39,80.64 51.46,80.43 51.5,80.22 51.51,80 51.49,79.79 51.44,79.58 51.36,79.38 51.25,79.19 51.12,79.03 50.97,78.88 50.8,78.76 50.61,78.67 50.41,78.6 50.21,78.56 50,78.55 50,78.6 49.63,78.97 49.59,78.98 ; v1(50.35,60) 50,60.35 50,60.55 49.68,60.56 49.37,60.6 49.06,60.66 48.75,60.74 48.45,60.84 48.16,60.97 47.88,61.11 47.61,61.28 47.35,61.46 47.1,61.66 46.88,61.88 46.66,62.11 46.47,62.36 46.29,62.62 46.13,62.89 45.99,63.17 45.88,63.46 45.78,63.76 45.7,64.07 45.65,64.37 45.62,64.69 45.61,65 45.63,65.31 45.66,65.62 45.72,65.93 45.8,66.23 45.9,66.53 46.02,66.82 46.17,67.09 46.33,67.36 46.51,67.61 46.71,67.85 46.92,68.08 47.15,68.29 47.39,68.48 47.65,68.66 47.92,68.81 48.2,68.95 48.48,69.07 48.78,69.16 49.08,69.23 49.38,69.29 49.69,69.32 50,69.33 50.31,69.31 50.61,69.28 50.92,69.22 51.22,69.14 51.51,69.04 51.79,68.92 52.06,68.78 52.33,68.62 52.58,68.44 52.81,68.25 53.04,68.04 53.24,67.81 53.43,67.57 53.6,67.32 53.76,67.05 53.89,66.78 54.01,66.49 54.1,66.2 54.17,65.91 54.22,65.61 54.25,65.3 54.26,65 54.25,64.7 54.21,64.39 54.16,64.1 54.08,63.8 53.98,63.52 53.86,63.24 53.72,62.97 53.57,62.71 53.39,62.46 53.2,62.23 52.99,62.01 52.77,61.8 52.53,61.62 52.28,61.45 52.02,61.3 51.75,61.16 51.47,61.05 51.19,60.96 50.89,60.89 50.6,60.84 50.3,60.81 50,60.8 49.69,60.81 49.37,60.85 49.07,60.91 48.77,61 48.47,61.1 48.19,61.23 47.91,61.38 47.65,61.55 47.4,61.74 47.16,61.94 46.95,62.17 46.74,62.4 46.56,62.66 46.4,62.92 46.26,63.2 46.13,63.48 46.03,63.78 45.96,64.08 45.9,64.38 45.87,64.69 45.86,65 45.88,65.31 45.91,65.62 45.97,65.92 46.06,66.22 46.16,66.51 46.29,66.79 46.43,67.06 46.6,67.32 46.79,67.56 46.99,67.79 47.21,68.01 47.44,68.21 47.69,68.39 